# KiCad board Scan_Head_Set-Relay_board_05.01.2023.kicad_pcb (continued)
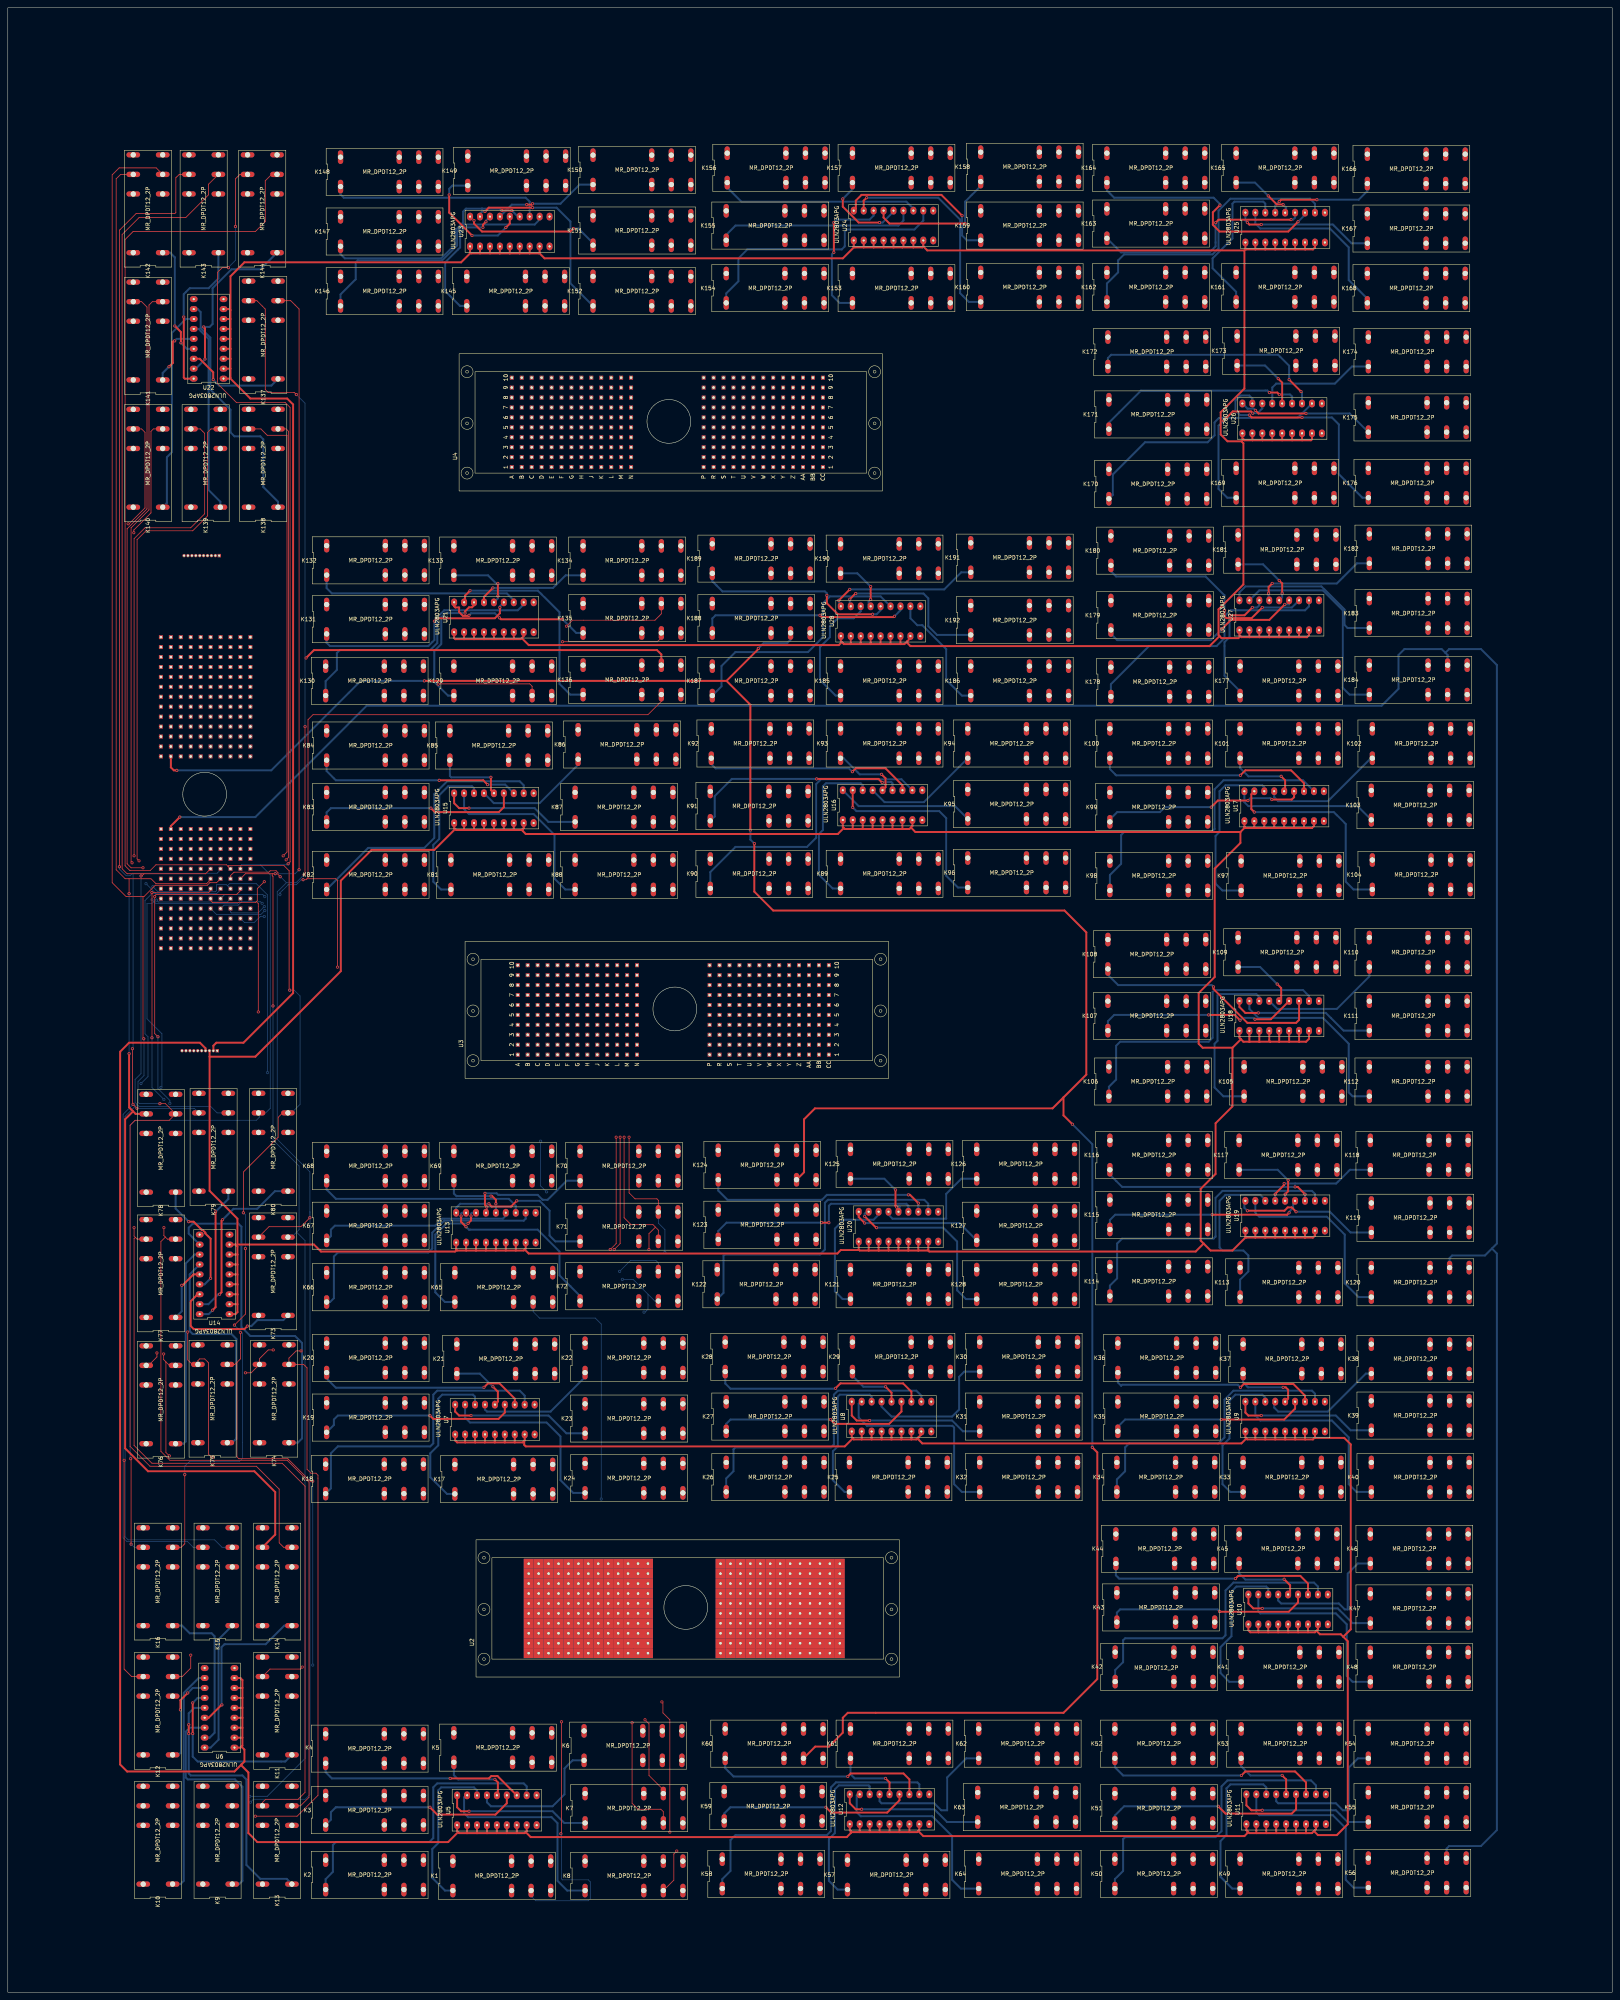
[diagram p0: board, top side]
## Routing (per net, layer and track width the routed paths; a pad name or vN(x,y) marks a point on that pad's centre or on a via; arc(x,y) is an arc through that point) (continued)
IO4: length 422.1
  Top w0.2: K144.21 59.3,464.43 58.17,463.3 v1(58.17,451.1) ; v1(56.36,440.6) 54.77,440.6 53.59,439.42 53.59,410.97 58.42,406.15 70.87,406.15 72.14,404.88 72.14,288.8 v1(71.63,288.29) ; v1(31.5,114.47) 31.5,136.21 v1(31.4,136.3)
  Bottom w0.2: v1(31.4,136.3) 31.24,136.46 31.24,221.49 32.51,222.76 63.5,222.76 64.26,223.52 64.26,224.45 K80.21 65.9,224.65 67.06,225.81 67.06,285.5 64.52,288.04 ; v1(71.63,288.29) 71.37,288.04 64.52,288.04 ; 64.52,288.04 59.69,288.04 59.44,287.78 U1.U2 ; K16.21 32.31,113.65 v1(31.5,114.47) ; v1(56.36,440.6) 56.36,440.66 58.17,442.47 v1(58.17,451.1)
IO5: length 422.5
  Top w0.2: 67.56,285.75 67.56,285.24 67.76,285.05 v1(67.76,251.97) ; 67.56,285.75 v1(68.33,285.75) ; 67.56,285.75 60.71,285.75 U1.V2 ; K137.11 72.28,432.17 74.42,430.02 v1(74.42,286.77)
  +12V w0.2: v3(61.81,50.04) 58.67,50.04 57.35,48.72 K9.11
  Bottom w0.2: 73.79,194.18 72.5,192.9 K73.11 ; 73.79,194.18 75.95,192.02 75.95,59.69 66.29,50.04 v3(61.81,50.04) ; 73.79,194.18 74.42,194.82 74.42,211.07 67.76,217.74 v1(67.76,251.97) ; v1(68.33,285.75) 73.41,285.75 v1(74.42,286.77)
IO6: length 464.8
  Top w0.2: K137.21 63.64,432.17 65.79,430.02 65.79,409.45 66.55,408.69 73.21,408.69 v1(73.72,408.18) ; v1(77.18,197.87) 74.89,195.58 66.74,195.58 K73.21 ; v1(69.6,284.99) 69.03,285.56 69.03,286.04 68.55,286.51 67.06,286.51 66.69,286.15 57.8,286.15 56.9,285.24 U1.V3 ; v1(75.95,323.34) 75.95,285.75 v1(75.69,285.5)
  +12V w0.2: v3(61.98,48.51) 61.56,48.51 59.02,45.97 50.8,45.97 49.83,46.94 K9.21
  Bottom w0.2: v3(61.98,48.51) 62.74,49.28 75.95,49.28 77.22,50.55 77.22,199.32 77.18,199.35 ; 77.18,199.35 77.18,209.59 68.83,217.93 68.83,281.12 71.18,283.46 ; 77.18,199.35 v1(77.18,197.87) ; v1(75.69,285.5) 73.66,283.46 71.18,283.46 ; 71.18,283.46 69.66,284.99 v1(69.6,284.99) ; v1(73.72,408.18) 75.95,405.95 v1(75.95,323.34)
IO7: length 445.3
  Top w0.2: K142.11 37.91,466.09 28.45,466.09 26.67,464.31 26.67,283.46 30.23,279.91 34.54,279.91 ; K14.11 70.5,113.65 69.34,114.81 69.34,128.52 63.5,134.37 36.32,134.37 31.24,139.45 31.24,221.49 32.51,222.76 41.24,222.76 K78.11 40.26,227.01 v1(38.86,227.01) ; 34.54,279.91 34.78,279.91 37.68,282.81 50.97,282.81 51.62,283.46 53.34,283.46 U1.V4 ; 34.54,279.91 34.54,243.78 v1(34.74,243.59)
  Bottom w0.2: v1(34.74,243.59) 34.8,243.52 34.8,234.19 33.27,232.66 33.27,227.33 33.59,227.01 v1(38.86,227.01)
IO8: length 416.5
  Top w0.2: 30.99,284.48 29.97,284.48 27.69,286.77 27.69,463.3 28.82,464.43 K142.21 ; 30.99,284.48 v1(30.99,280.67) ; 30.99,284.48 36.58,284.48 37.85,283.21 50.8,283.21 51.82,284.23
  Top w0.508: 32,225.04 32.65,224.4 K78.21 ; 32,225.04 29.97,223.01 29.97,138.94 35.81,133.1 62.99,133.1 68.33,127.76 68.33,116.9 K14.21 ; 32,225.04 30.99,226.06 v1(30.99,239.78) ; 51.82,284.23 U1.V5
  Bottom w0.2: v1(30.99,239.78) v1(30.99,280.67)
IO9: length 449.3
  Top w0.2: K77.11 40.78,192.39 40.26,192.91 ; 36.83,280.92 51.31,280.92 51.82,281.43 U1.W5 ; 36.83,280.92 v2(36.81,280.95) ; 36.83,280.92 v1(36.83,243.84) ; K141.11 36.94,431.91 36.07,431.04 36.07,378.71 31.5,374.14 31.5,288.8 v2(31.75,288.54) ; K13.11 74.79,47.61 76.96,49.78 76.96,130.3 71.37,135.89 41.4,135.89 39.12,138.18 39.12,191.77 40.26,192.91 ; 40.26,192.91 39.88,193.29 v2(39.88,195.33)
  +12V w0.2: v2(36.81,280.95) 34.77,280.95 32,283.72 32,288.29 v2(31.75,288.54) ; v2(39.88,195.33) v3(39.88,228.09)
  Bottom w0.2: v3(39.88,228.09) 36.83,231.14 v1(36.83,243.84)
IO10: length 466.1
  Top w0.2: 32.58,192.85 33.03,192.39 K77.21 ; 32.58,192.85 32.26,192.53 32.26,139.7 36.83,135.13 70.1,135.13 75.95,129.29 75.95,51.05 74.17,49.28 65.88,49.28 65.07,48.47 K13.21 ; 32.58,192.85 32.26,193.17 v2(32.26,195.33) ; v2(34.54,287.28) 31.49,287.28 30.48,288.29 30.48,373.89 35.56,378.97 35.56,430.53 34.18,431.91 K141.21
  +12V w0.2: v2(34.54,287.28) 35.05,286.77 35.05,283.46 v3(35.31,283.21) ; v2(32.26,195.33) 30.73,196.85 30.73,228.85 v3(34.04,232.16)
  Bottom w0.2: 37.85,280.67 53.34,280.67 54.36,281.69 U1.W4 ; 37.85,280.67 v3(35.31,283.21) ; 37.85,280.67 36.83,280.67 35.05,278.89 35.05,244.86 35.81,244.09 35.81,233.93 v3(34.04,232.16)
IO11: length 396.7
  Top w0.2: 58.55,160.91 59.44,161.8 v2(59.44,168.56) ; 58.55,160.91 58.55,136.78 59.04,136.29 71.54,136.29 77.27,130.56 v1(77.92,130.56) ; 58.55,160.91 58.03,160.39 K75.11 ; v2(33.53,289.05) 33.02,289.56 33.02,371.09 35.31,373.38 47.24,373.38 51.05,377.19 51.05,398.53 51.93,399.4 K139.11
  +12V w0.2: v3(66.36,234.95) 59.44,228.03 v2(59.44,168.56) ; v2(33.53,289.05) 35.81,289.05 36.58,288.29 36.58,282.93 v3(37.07,282.43) ; K11.11 75.81,80.63 77.92,82.74 v3(77.92,83.57)
  Bottom w0.2: v1(77.92,130.56) v3(77.92,83.57) ; v3(66.36,234.95) 66.36,280.35 63.5,283.21 56.64,283.21 56.13,282.7 ; v3(37.07,282.43) 38.37,281.14 53.05,281.14 53.34,281.43 53.34,282.96 55.88,282.96 56.13,282.7 ; 56.13,282.7 U1.W3
IO12: length 408.1
  Top w0.2: v1(38.35,244.09) 37.53,244.92 v2(37.53,279.91) 37.53,280.1 37.85,280.42 58.42,280.42 59.44,281.43 U1.W2 ; v2(32.26,290.32) 32.26,371.35 35.05,374.14 46.74,374.14 50.29,377.7 50.29,398.27 49.16,399.4 K139.21 ; v2(75.25,83.06) 74.74,82.55 66.99,82.55 K11.21 ; v2(52.32,136.65) 52.07,136.65 51.31,137.41 51.31,160.78 50.29,161.8 49.02,161.8 48.56,161.34 K75.21 47.13,160.39 45.97,161.54 v2(45.97,168.66)
  +12V w0.2: v2(75.25,83.06) 76.2,84.01 76.2,132.33 74.17,134.37 54.61,134.37 v2(52.32,136.65) ; v3(41.4,227.08) 41.4,225.81 40.64,225.04 40.64,194.31 41.15,193.8 44.96,193.8 45.47,193.29 45.47,169.16 v2(45.97,168.66) ; v2(37.53,279.91) 34.54,279.91 31.05,283.4 31.05,289.11 v2(32.26,290.32)
  Bottom w0.2: v1(38.35,244.09) 38.35,230.89 41.4,227.84 v3(41.4,227.08)
IO13: length 367.9
  Top w0.2: v2(46.74,86.11) 46.74,82.8 44.56,80.63 K12.11 ; v2(32.2,372.87) 32.2,373.57 36.58,377.95 36.58,398.78 37.2,399.4 K140.11 ; 40.39,161.04 39.82,161.61 v2(39.82,163.07) ; 40.39,161.04 40.39,137.9 v2(41.26,137.02) ; 40.39,161.04 41.29,160.13 K76.11
  +12V w0.2: v2(32.2,372.87) 32,372.68 32,291.59 30.48,290.07 30.48,282.7 34.04,279.15 v3(36.83,279.15) ; v2(39.82,163.07) 39.12,163.77 39.12,195.83 39.48,196.2 39.48,224.94 38.1,226.31 38.1,228.09 39.88,229.87 39.88,230.38 v3(39.12,231.14) ; v2(41.26,137.02) 41.88,136.4 45.34,136.4 46.74,135 v2(46.74,86.11)
  Bottom w0.2: v3(36.83,279.15) 37.34,278.64 ; 37.34,278.64 36.83,278.13 35.56,278.13 35.56,248.67 39.37,244.86 39.37,231.39 v3(39.12,231.14) ; 37.34,278.64 37.85,278.13 58.67,278.13 59.44,278.89 U1.X2
IO14: length 361.9
  Top w0.2: v2(29.72,135.89) 29.72,82.55 31.64,80.63 K12.21 ; v2(30.73,375.16) 30.99,375.16 35.05,379.22 35.05,398.53 34.18,399.4 K140.21 ; v2(38.1,163.32) 38.1,162.31 35.93,160.13 K76.21
  +12V w0.2: K76.21 33.13,160.13 29.72,156.72 v2(29.72,135.89) ; 35.88,278.45 37.4,278.45 v3(37.96,279.01) ; 35.88,278.45 31.43,278.45 29.72,280.16 29.72,290.32 30.73,291.34 v2(30.73,375.16) ; 35.88,278.45 35.88,232.35 38.35,229.87 38.35,229.36 37.34,228.35 37.34,226.06 38.86,224.54 38.86,196.34 38.1,195.58 v2(38.1,163.32)
  Bottom w0.2: v3(37.96,279.01) 38.44,278.53 56.1,278.53 56.9,279.33 U1.X3
IO15: length 421.7
  Top w0.2: K138.11 71.11,399.4 71.74,398.78 71.74,289.92 v2(71.12,289.31) ; v2(74.93,163.83) 73.66,163.83 71.83,162 K74.11 75.58,160.39 76.45,159.51 76.45,133.6 77.47,132.59 78.74,132.59 79.25,132.08 79.25,50.29 73.91,44.96 v2(63.25,44.96)
  +12V w0.2: v3(65.66,279.92) 65.8,279.92 68.07,282.19 ; v2(74.93,163.83) 75.44,163.83 76.2,164.59 76.2,229.87 69.09,236.98 69.09,281.18 68.07,282.19 ; v2(71.12,289.31) 70.36,288.54 70.36,284.48 68.07,282.19 ; v2(63.25,44.96) 43.43,44.96 42.11,46.28 K10.11
  Bottom w0.2: v3(65.66,279.92) 65.16,280.42 55.37,280.42 U1.X4
IO16: length 415.8
  Top w0.2: 63.5,278.64 63.75,278.89 63.75,281.94 v2(65.53,283.72) ; 63.5,278.64 64.01,278.13 v2(64.01,250.44) ; 63.5,278.64 63.25,278.38 52.32,278.38 51.82,278.89 U1.X5 ; v2(67.82,164.08) 66.55,164.08 64.31,161.85 K74.21 62.17,158.24 v2(60.71,158.24) ; v2(70.36,290.32) 71.34,291.3 71.34,397.76 66.29,397.76 64.66,399.4 K138.21
  +12V w0.2: v2(65.53,283.72) 65.53,284.23 66.8,285.5 66.8,286.77 v2(70.36,290.32) ; v2(60.71,158.24) 32.77,158.24 30.7,156.18 30.7,138.14 30.48,137.92 30.48,135.13 30.73,134.87 30.73,48.77 31.89,47.61 K10.21 ; v2(64.01,250.44) 64.01,239.27 68.83,234.44 68.83,165.1 v2(67.82,164.08)
IO17: length 737
  Top w0.2: 165.48,195.45 163.83,193.8 v2(163.83,189.74) ; 165.48,195.45 164.85,196.09 159.26,196.09 157.48,197.87 v2(157.48,218.44) ; 165.48,195.45 166.23,194.7 K71.11 ; v2(141.73,345.02) 165.95,345.02 166.99,346.06 K135.11 ; v2(159.51,68.83) 159.51,48.26 161.04,46.74 166.88,46.74 167.5,46.11 K7.11
  +12V w0.2: 141.13,344.42 v2(141.73,345.02) ; 141.13,344.42 118.87,344.42 116.59,342.14 116.59,314.71 111.76,309.88 111.76,305.05 110.24,303.53 80.52,303.53 64.26,287.27 64.26,279.4 64.77,278.89 66.29,278.89 66.55,278.64 66.55,277.62 65.66,276.73 v3(65.66,276.35) ; 141.13,344.42 141.13,277.71 141.22,277.62 140.46,276.86 94.74,276.86 91.19,273.3 91.19,230.12 97.54,223.77 153.16,223.77 157.48,219.46 v2(157.48,218.44) ; v2(163.83,189.74) 159,189.74 157.73,188.47 157.73,125.73 156.72,124.71 93.73,124.71 90.93,121.92 90.93,75.44 94.23,72.14 156.97,72.14 159.51,69.6 v2(159.51,68.83)
  Bottom w0.2: U1.Y5 53.34,275.34 64.64,275.34 v3(65.66,276.35)
IO18: length 730.5
  Top w0.2: K71.21 166.23,202.32 165.86,202.69 160.27,202.69 158.75,204.22 v2(158.75,218.44) ; K7.21 167.5,51.7 163.83,55.37 163.83,68.58 v2(162.81,69.6) ; v2(142.75,349) 144.27,350.52 165.35,350.52 166.99,352.16 K135.21
  +12V w0.2: v3(64.99,278.19) 64.71,278.19 63.75,279.15 63.75,287.53 80.26,304.04 84.84,304.04 85.09,304.29 85.09,338.07 89.66,342.65 115.82,342.65 118.11,344.93 140.46,344.93 140.72,345.19 140.72,346.96 141.86,348.11 ; v2(162.81,69.6) 159.51,72.9 94.49,72.9 91.69,75.69 91.69,121.67 94.23,124.21 157.23,124.21 158.5,125.48 158.5,187.96 159.51,188.98 v3(167.89,188.98) ; v2(158.75,218.44) 158.75,219.46 153.67,224.54 97.79,224.54 91.95,230.38 91.95,272.8 95.25,276.1 140.72,276.1 142.43,277.81 142.43,347.53 141.86,348.11 ; v2(142.75,349) 141.86,348.11
  Bottom w0.2: K71.21 166.23,196.48 167.89,194.82 v3(167.89,188.98) ; U1.Y4 55.23,277.73 58.84,277.73 59.71,278.6 64.58,278.6 v3(64.99,278.19)
IO19: length 643
  Top w0.2: 76.45,284.48 76.71,284.73 76.71,325.12 77.98,326.39 163.58,326.39 166.99,329.81 K136.11 ; 76.45,284.48 83.82,284.48 84.33,283.97 84.24,283.88 v2(84.24,261.87) ; 76.45,284.48 76.2,284.23 v1(75.44,284.23) ; v2(156.46,218.44) 156.46,191.26 v2(154.94,189.74) ; K8.11 170.18,28.64 170.18,35.31 v2(170.94,36.07)
  +12V w0.2: v2(156.46,218.44) 156.72,218.69 156.72,219.46 152.91,223.27 97.28,223.27 90.68,229.87 90.68,257.05 90.17,257.56 87.63,257.56 84.24,260.95 v2(84.24,261.87) ; v2(154.94,189.74) 157.03,187.64 v3(157.03,182.12) ; v2(170.94,36.07) 170.94,69.34 166.62,73.66 94.74,73.66 92.46,75.95 92.46,121.41 94.49,123.44 157.48,123.44 159,124.97 159,173.23 159.51,173.74 v3(162.56,173.74)
  AGND w0.2: v5(65.54,277.36) 66.48,277.36 v5(69.53,280.42)
  Bottom w0.2: v3(162.56,173.74) 162.81,173.74 163.58,174.5 163.58,178.31 ; v5(69.53,280.42) 69.53,280.86 70.21,281.54 70.25,281.54 71.63,282.92 71.63,282.96 73.72,282.96 74.99,284.23 v1(75.44,284.23) ; 163.58,178.31 165.3,176.58 K72.11 ; 163.58,178.31 159.77,182.12 v3(157.03,182.12) ; v5(65.54,277.36) 63.92,275.74 57.15,275.74 56.9,275.99 U1.Y3
IO20: length 645.7
  Top w0.2: v2(167.13,74.17) 167.39,73.91 167.39,71.37 169.16,69.6 v2(169.16,40.89) ; v2(153.92,189.74) 155.45,191.26 v2(155.45,218.44)
  Top w0.508: v2(76.2,340.87) 78.23,342.9 165.86,342.9 166.99,341.77 K136.21
  +12V w0.2: v4(68.07,272.8) 68.07,272.95 63.01,278.01 63.01,278.62 ; 63.01,278.62 v4(62.52,278.13) ; 63.01,278.62 63.2,278.81 63.2,288.5 74.42,299.72 74.42,339.09 v2(76.2,340.87) ; v3(156.34,184.15) 156.63,184.45 156.63,187.03 v2(153.92,189.74) ; v2(169.16,40.89) 169.16,36.58 167.5,34.91 K8.21 ; v4(89.98,256.29) 90.28,255.99 90.28,229.51 97.28,222.5 152.65,222.5 155.45,219.71 v2(155.45,218.44) ; K72.21 164.54,184.1 163.58,183.13 163.58,173.48 162.81,172.72 160.02,172.72 159.51,172.21 159.51,124.46 157.73,122.68 94.74,122.68 93.22,121.16 93.22,76.2 95,74.42 166.88,74.42 v2(167.13,74.17)
  AGND w0.2: v4(89.98,256.29) 84.58,256.29 v4(68.07,272.8) ; U1.Y2 59.44,277.62 59.94,278.13 v4(62.52,278.13)
  Bottom w0.2: v3(156.34,184.15) 159.13,186.94 165.61,186.94 166.23,186.32 K72.21
IO21: length 583.2
  Top w0.2: v1(141.32,40.48) 141.48,40.64 v2(141.48,69.09) ; K129.11 133.97,333.64 133.35,334.26 110.07,334.26 v2(109.98,334.17)
  +12V w0.2: v2(109.98,334.17) 87.03,334.17 85.85,332.99 v4(85.85,304.8) ; v2(141.48,69.09) 141.48,70.61 140.72,71.37 93.73,71.37 90.17,74.93 90.17,122.43 92.86,125.11 151.53,125.11 151.64,125.22 v3(151.64,125.98) ; v3(136.14,217.42) 136.14,218.19 132.59,221.74 97.48,221.74 89.66,229.56 89.66,255.27 88.9,255.27 v4(87.12,257.05)
  AGND w0.2: 84.07,278.38 84.07,258.57 85.6,257.05 v4(87.12,257.05) ; 84.07,278.38 85.85,280.16 v4(85.85,304.8) ; 84.07,278.38 69.09,278.38 v5(65.53,274.83) ; K65.11 134.23,178.42 136.14,180.34 136.14,187.45 138.82,190.13 138.82,203.32 v5(137.67,204.47)
  Bottom w0.2: v3(151.64,125.98) 151.64,170.69 150.11,172.21 135.89,172.21 134.23,173.88 K65.11 ; K1.11 133.72,24.52 134.87,23.37 148.34,23.37 148.84,23.88 148.84,28.19 148.34,28.7 141.73,28.7 141.48,28.96 141.48,40.32 v1(141.32,40.48) ; v3(136.14,217.42) 136.14,205.99 v5(137.67,204.47) ; U1.Z2 60.45,273.3 62.99,273.3 64.52,274.83 v5(65.53,274.83)
IO109: length 690.3
  Top w0.508: v1(190.75,293.46) 190.75,281.18 195.58,276.35 270,276.35 275.59,270.76 275.59,234.44 269.75,228.6 ; v1(272.03,221.74) 269.75,224.03 269.75,228.6 ; v1(189.74,296.93) 189.74,328.93 183.64,335.03 ; 269.75,228.6 266.95,225.81 206.25,225.81 203.45,223.01 203.45,209.49 K124.11 ; U1.N9 41.66,312.93 42.42,312.17 v1(43.18,312.17) ; v1(277.11,139.19) 278.38,137.92 278.38,80.01 269.75,71.37 214.63,71.37 213.36,70.1 213.36,66.29 209.8,62.74 206.31,62.74 K60.11 ; 183.64,335.03 191.77,343.15 v1(191.77,343.32) ; 183.64,335.03 v1(106.43,335.03)
  Bottom w0.508: v1(277.11,139.19) 277.11,216.66 v1(272.03,221.74) ; v1(43.18,312.17) 67.31,312.17 90.17,335.03 v1(106.43,335.03) ; v1(191.77,343.32) 193.13,344.68 199.14,344.68 200.01,345.55 K188.11 ; v1(189.74,296.93) 189.74,294.48 v1(190.75,293.46)
IO116: length 699.5
  Top w0.508: v1(43.94,300.23) 41.66,297.94 U1.P9
  Bottom w0.508: K184.21 367.91,341.63 367.34,342.19 ; v1(43.94,300.23) 63.25,300.23 91.69,328.68 351.03,328.68 355.35,332.99 355.35,341.63 356.87,343.15 366.38,343.15 367.34,342.19 ; K120.21 368.41,187.57 369.06,188.21 377.44,188.21 379.22,189.99 ; 367.34,342.19 368.3,343.15 376.43,343.15 380.49,339.09 380.49,191.26 379.22,189.99 ; 379.22,189.99 380.49,188.72 380.49,41.4 376.43,37.34 368.3,37.34 367.65,36.69 K56.21
SH1SELECT: length 1053.2
  Top w0.508: 122.43,40.64 U5.4 ; 122.43,40.64 119.89,40.64 ; 122.43,40.64 124.97,40.64 ; 59.94,72.64 59.94,75.18 ; 59.94,72.64 59.94,70.1 ; 59.94,72.64 U6.5 ; 59.94,75.18 U6.6 ; 59.94,75.18 59.94,77.72 ; U10.4 324.61,91.95 ; 324.61,91.95 322.07,91.95 ; 324.61,91.95 327.15,91.95 ; 328.93,141.22 331.47,141.22 ; 328.93,141.22 U9.6 ; 328.93,141.22 326.39,141.22 ; 331.47,141.22 U9.7 ; 331.47,141.22 333.5,141.22 333.88,141.61 ; U10.6 329.69,91.95 ; 329.69,91.95 332.23,91.95 ; 329.69,91.95 327.15,91.95 ; 332.23,91.95 U10.7 ; 332.23,91.95 334.01,91.95 334.39,92.33 ; U6.8 59.44,80.26 59.94,79.76 59.94,77.72 ; 59.94,77.72 U6.7 ; 131.95,140.84 132.08,140.97 U7.8 ; 131.95,140.84 131.95,139.83 132.33,139.45 213.87,139.45 215.9,141.48 ; 131.95,140.84 131.57,140.46 129.54,140.46 ; U10.5 327.15,91.95 ; 333.88,141.61 334.01,141.73 U9.8 ; 333.88,141.61 341.5,141.61 343.15,139.95 343.15,92.71 341.25,90.81 ; 220.22,40.89 222.76,40.89 ; 220.22,40.89 217.68,40.89 ; 220.22,40.89 U12.3 ; 222.76,40.89 225.3,40.89 ; 222.76,40.89 U12.4 ; 316.74,41.15 317.25,40.64 319.02,40.64 ; 316.74,41.15 316.48,41.4 U11.1 ; 316.74,41.15 316.74,40.64 315.98,39.88 233.93,39.88 232.66,41.15 ; 119.89,40.64 U5.3 ; 119.89,40.64 117.35,40.64 ; 116.84,140.46 119.38,140.46 ; 116.84,140.46 114.81,140.46 114.3,140.97 U7.1 ; 116.84,140.46 U7.2 ; 119.38,140.46 U7.3 ; 119.38,140.46 121.92,140.46 ; 334.39,92.33 334.77,92.71 U10.8 ; 334.39,92.33 335.28,91.44 340.61,91.44 341.25,90.81 ; U9.4 323.85,141.22 ; 323.85,141.22 321.31,141.22 ; 323.85,141.22 326.39,141.22 ; 326.64,40.64 329.18,40.64 ; 326.64,40.64 U11.5 ; 326.64,40.64 324.1,40.64 ; 329.18,40.64 331.72,40.64 ; 329.18,40.64 U11.6 ; 322.07,91.95 U10.3 ; 322.07,91.95 319.53,91.95 ; 127.51,40.64 130.05,40.64 ; 127.51,40.64 U5.6 ; 127.51,40.64 124.97,40.64 ; 130.05,40.64 132.08,40.64 132.33,40.89 ; 130.05,40.64 U5.7 ; 124.46,140.46 127,140.46 ; 124.46,140.46 121.92,140.46 ; 124.46,140.46 U7.5 ; 127,140.46 U7.6 ; 127,140.46 129.54,140.46 ; U5.1 114.81,41.15 115.06,40.89 ; 218.19,141.22 U8.2 ; 218.19,141.22 220.73,141.22 ; 218.19,141.22 216.15,141.22 215.9,141.48 ; 232.66,141.73 232.16,141.22 230.89,141.22 ; 232.66,141.73 232.66,141.22 233.68,140.21 315.21,140.21 316.48,141.48 ; 232.66,141.73 233.43,142.49 U8.8 ; U5.8 132.59,41.15 132.33,40.89 ; J1.4 50.52,241.14 49.09,242.57 30.99,242.57 28.7,240.28 28.7,58.17 30.48,56.39 57.91,56.39 59.69,58.17 ; 215.9,141.48 215.65,141.73 U8.1 ; 117.35,40.64 115.32,40.64 115.06,40.89 ; 117.35,40.64 U5.2 ; 341.25,90.81 342.39,89.66 342.39,42.93 339.6,40.13 334.77,40.13 333.76,41.15 ; 232.66,41.15 232.92,41.4 U12.8 ; 232.66,41.15 232.41,40.89 230.38,40.89 ; 227.84,40.89 U12.6 ; 227.84,40.89 230.38,40.89 ; 227.84,40.89 225.3,40.89 ; 220.73,141.22 223.27,141.22 ; 220.73,141.22 U8.3 ; 319.02,40.64 U11.2 ; 319.02,40.64 321.56,40.64 ; 215.39,41.15 215.65,40.89 217.68,40.89 ; 215.39,41.15 215.14,41.4 U12.1 ; 215.39,41.15 215.39,40.64 214.38,39.62 133.6,39.62 132.33,40.89 ; 59.94,65.02 59.94,62.99 59.69,62.74 ; 59.94,65.02 U6.2 ; 59.94,65.02 59.94,67.56 ; 217.68,40.89 U12.2 ; 321.31,141.22 318.77,141.22 ; 321.31,141.22 U9.3 ; 223.27,141.22 225.81,141.22 ; 223.27,141.22 U8.4 ; 225.81,141.22 228.35,141.22 ; 225.81,141.22 U8.5 ; 230.38,40.89 U12.7 ; 59.94,67.56 59.94,70.1 ; 59.94,67.56 U6.3 ; 59.94,70.1 U6.4 ; 331.72,40.64 U11.7 ; 331.72,40.64 333.25,40.64 333.76,41.15 ; 124.97,40.64 U5.5 ; 316.48,141.48 316.23,141.73 U9.1 ; 316.48,141.48 316.74,141.22 318.77,141.22 ; 59.69,58.17 60.45,58.93 60.45,61.98 59.69,62.74 ; 59.69,58.17 59.69,57.91 61.47,56.13 61.47,40.64 63.75,38.35 112.52,38.35 115.06,40.89 ; U7.7 129.54,140.46 ; 230.89,141.22 U8.7 ; 230.89,141.22 228.35,141.22 ; 319.53,91.95 317.5,91.95 316.99,92.46 U10.1 ; 319.53,91.95 U10.2 ; 318.77,141.22 U9.2 ; 121.92,140.46 U7.4 ; 333.76,41.15 334.26,41.66 U11.8 ; 228.35,141.22 U8.6 ; 321.56,40.64 U11.3 ; 321.56,40.64 324.1,40.64 ; 324.1,40.64 U11.4 ; 225.3,40.89 U12.5 ; 326.39,141.22 U9.5 ; 59.69,62.74 59.44,62.48 U6.1
SH2SELECT: length 946.8
  Top w0.508: 215.9,297.18 218.44,297.18 ; 215.9,297.18 U16.2 ; 215.9,297.18 213.87,297.18 213.61,297.43 ; 218.44,297.18 220.98,297.18 ; 218.44,297.18 U16.3 ; 328.93,192.79 331.47,192.79 ; 328.93,192.79 U19.6 ; 328.93,192.79 326.39,192.79 ; 331.47,192.79 333.5,192.79 334.01,193.29 U19.8 ; 331.47,192.79 U19.7 ; 51.56,239.01 63.25,239.01 85.09,260.86 85.09,283.97 92.96,291.85 108.97,291.85 114.3,297.18 ; 51.56,239.01 51.56,240.54 J1.3 ; 51.56,239.01 51.56,204.72 58.67,197.61 58.67,191.01 ; 213.61,297.43 213.36,297.69 U16.1 ; 213.61,297.43 212.09,295.91 132.33,295.91 131.57,296.67 131.57,297.18 ; 121.67,296.93 124.21,296.93 ; 121.67,296.93 U15.4 ; 121.67,296.93 119.13,296.93 ; 124.21,296.93 U15.5 ; 124.21,296.93 126.75,296.93 ; 217.55,189.61 217.68,189.48 219.96,189.48 ; 217.55,189.61 217.42,189.74 U20.1 ; 217.55,189.61 212.85,189.61 211.96,188.72 133.1,188.72 132.08,189.74 ; 114.68,189.61 114.3,189.23 80.01,189.23 78.23,191.01 58.67,191.01 ; 114.68,189.61 114.55,189.74 U13.1 ; 114.68,189.61 114.81,189.48 117.09,189.48 ; 132.08,189.74 132.33,189.99 U13.8 ; 132.08,189.74 131.83,189.48 129.79,189.48 ; 58.42,190.75 58.17,191.01 U14.8 ; 58.42,190.75 58.67,190.5 58.67,188.47 ; 58.42,190.75 58.67,191.01 ; U13.3 119.63,189.48 ; 119.63,189.48 122.17,189.48 ; 119.63,189.48 117.09,189.48 ; U20.8 235.2,189.74 235.08,189.61 ; 58.67,175.77 58.67,178.31 ; 58.67,175.77 U14.2 ; 58.67,175.77 58.67,173.74 58.17,173.23 U14.1 ; 58.67,178.31 58.67,180.85 ; 58.67,178.31 U14.3 ; U18.5 324.87,242.82 ; 324.87,242.82 327.41,242.82 ; 324.87,242.82 322.58,242.82 ; 312.93,241.3 305.31,241.3 304.29,242.32 304.29,255.27 308.39,259.36 308.39,287.05 314.96,293.62 314.96,296.42 ; 312.93,241.3 312.93,226.31 308.61,222 308.61,209.04 304.8,205.23 304.8,192.02 305.56,191.26 ; 312.93,241.3 315.09,243.46 ; U15.8 131.83,297.43 131.57,297.18 ; 58.67,180.85 58.67,185.93 ; 58.67,180.85 U14.4 ; 58.67,185.93 58.67,188.47 ; 58.67,185.93 U14.6 ; 114.3,297.18 114.05,297.43 U15.1 ; 114.3,297.18 114.55,296.93 116.59,296.93 ; 226.06,297.18 228.6,297.18 ; 226.06,297.18 U16.6 ; 226.06,297.18 223.52,297.18 ; 228.6,297.18 U16.7 ; 228.6,297.18 230.38,297.18 230.76,297.56 ; 230.76,297.56 231.9,296.42 314.96,296.42 ; 230.76,297.56 231.14,297.94 U16.8 ; U15.3 119.13,296.93 ; 119.13,296.93 116.59,296.93 ; 129.29,296.93 131.32,296.93 131.57,297.18 ; 129.29,296.93 U15.7 ; 129.29,296.93 126.75,296.93 ; U17.3 321.06,297.43 ; 321.06,297.43 323.6,297.43 ; 321.06,297.43 318.52,297.43 ; 328.68,297.43 331.22,297.43 ; 328.68,297.43 U17.6 ; 328.68,297.43 326.14,297.43 ; 331.22,297.43 333.25,297.43 333.76,297.94 U17.8 ; 331.22,297.43 U17.7 ; 322.58,242.82 322.33,243.08 U18.4 ; 322.58,242.82 319.79,242.82 ; U20.7 232.66,189.48 ; 232.66,189.48 230.12,189.48 ; 232.66,189.48 234.95,189.48 235.08,189.61 ; 314.96,296.42 316.1,297.56 ; U18.7 329.95,242.82 ; 329.95,242.82 327.41,242.82 ; 329.95,242.82 331.72,242.82 332.49,243.59 U18.8 ; 58.67,188.47 U14.7 ; 235.08,189.61 235.46,189.23 303.53,189.23 305.56,191.26 ; 305.56,191.26 307.34,189.48 312.93,189.48 316.36,192.91 ; 126.75,296.93 U15.6 ; 316.1,297.56 316.23,297.43 318.52,297.43 ; 316.1,297.56 315.98,297.69 U17.1 ; U20.6 230.12,189.48 ; 230.12,189.48 227.58,189.48 ; 219.96,189.48 222.5,189.48 ; 219.96,189.48 U20.2 ; 122.17,189.48 U13.4 ; 122.17,189.48 124.71,189.48 ; 117.09,189.48 U13.2 ; 129.79,189.48 U13.7 ; 129.79,189.48 127.25,189.48 ; U13.6 127.25,189.48 ; 127.25,189.48 124.71,189.48 ; 327.41,242.82 U18.6 ; U15.2 116.59,296.93 ; U17.4 323.6,297.43 ; 323.6,297.43 326.14,297.43 ; U18.2 317.25,242.82 ; 317.25,242.82 315.72,242.82 315.09,243.46 ; 317.25,242.82 319.79,242.82 ; U19.3 321.31,192.79 ; 321.31,192.79 323.85,192.79 ; 321.31,192.79 318.77,192.79 ; U17.2 318.52,297.43 ; 316.36,192.91 316.23,193.04 U19.1 ; 316.36,192.91 316.48,192.79 318.77,192.79 ; U16.4 220.98,297.18 ; 220.98,297.18 223.52,297.18 ; U13.5 124.71,189.48 ; 319.79,242.82 U18.3 ; 326.14,297.43 U17.5 ; U19.2 318.77,192.79 ; 323.85,192.79 U19.4 ; 323.85,192.79 326.39,192.79 ; 222.5,189.48 U20.3 ; 222.5,189.48 225.04,189.48 ; U19.5 326.39,192.79 ; 227.58,189.48 U20.5 ; 227.58,189.48 225.04,189.48 ; 315.09,243.46 314.71,243.84 U18.1 ; 225.04,189.48 U20.4 ; 223.52,297.18 U16.5 ; U14.5 58.67,183.39
SH3SELECT: length 967.3
  Top w0.508: U24.3 221.23,445.77 ; 221.23,445.77 218.69,445.77 ; 221.23,445.77 223.77,445.77 ; U24.1 216.15,446.02 216.28,445.9 ; U24.5 226.31,445.77 ; 226.31,445.77 223.77,445.77 ; 226.31,445.77 228.6,445.77 ; U23.7 133.35,444.25 ; 133.35,444.25 135.64,444.25 135.76,444.37 ; 133.35,444.25 130.81,444.25 ; 124.21,345.69 126.49,345.69 ; 124.21,345.69 U21.5 ; 124.21,345.69 121.67,345.69 ; 126.49,345.69 126.75,345.95 U21.6 ; 126.49,345.69 129.29,345.69 ; U21.8 131.83,346.46 131.32,345.95 ; 213.11,344.93 212.85,345.19 U28.1 ; 213.11,344.93 212.34,344.17 133.1,344.17 131.32,345.95 ; 213.11,344.93 213.61,344.42 215.39,344.42 ; 131.32,345.95 131.06,345.69 129.29,345.69 ; 318.01,396.49 320.55,396.49 ; 318.01,396.49 U26.2 ; 318.01,396.49 315.98,396.49 315.72,396.75 ; 320.55,396.49 U26.3 ; 320.55,396.49 323.09,396.49 ; 315.21,396.24 311.66,396.24 309.92,397.98 309.92,403.64 315.98,409.7 315.98,445.01 ; 315.21,396.24 315.72,396.75 ; 315.21,396.24 315.72,395.73 315.72,359.66 309.37,353.31 309.37,346.71 309.63,346.46 ; U24.4 223.77,445.77 ; 56.9,414.78 56.9,412.5 56.77,412.37 ; 56.9,414.78 U22.2 ; 56.9,414.78 56.9,417.32 ; 218.69,445.77 216.41,445.77 216.28,445.9 ; 218.69,445.77 U24.2 ; 216.28,445.9 213.36,442.98 137.16,442.98 135.76,444.37 ; 56.9,424.94 56.9,427.48 ; 56.9,424.94 56.9,422.4 ; 56.9,424.94 U22.6 ; 56.9,427.48 U22.7 ; 56.9,427.48 56.9,429.77 56.64,430.02 U22.8 ; U23.1 118.11,444.5 118.24,444.37 ; U26.7 330.71,396.49 ; 330.71,396.49 328.17,396.49 ; 330.71,396.49 332.99,396.49 333.25,396.75 U26.8 ; 316.36,445.39 316.23,445.52 U25.1 ; 316.36,445.39 315.98,445.01 ; 316.36,445.39 316.48,445.26 318.77,445.26 ; 128.27,444.25 130.81,444.25 ; 128.27,444.25 125.73,444.25 ; 128.27,444.25 U23.5 ; 130.81,444.25 U23.6 ; 315.72,396.75 315.47,397 U26.1 ; U25.6 328.93,445.26 ; 328.93,445.26 326.39,445.26 ; 328.93,445.26 331.47,445.26 ; 328.17,396.49 325.63,396.49 ; 328.17,396.49 U26.6 ; 56.77,412.37 56.64,412.24 U22.1 ; 56.77,412.37 61.98,407.16 71.37,407.16 72.9,405.64 72.9,255.27 60.2,242.57 53.28,242.57 52.52,241.81 J1.2 ; 323.09,396.49 325.63,396.49 ; 323.09,396.49 U26.4 ; 325.63,396.49 U26.5 ; 215.39,344.42 217.93,344.42 ; 215.39,344.42 U28.2 ; 217.93,344.42 220.47,344.42 ; 217.93,344.42 U28.3 ; 326.39,445.26 323.85,445.26 ; 326.39,445.26 U25.5 ; 327.41,346.2 329.95,346.2 ; 327.41,346.2 324.87,346.2 ; 327.41,346.2 U27.6 ; 329.95,346.2 331.98,346.2 332.49,346.71 U27.8 ; 329.95,346.2 U27.7 ; 220.47,344.42 U28.4 ; 220.47,344.42 223.01,344.42 ; 315.98,445.01 234.95,445.01 233.93,446.02 ; 135.76,444.37 135.89,444.5 U23.8 ; U27.3 319.79,346.2 ; 319.79,346.2 317.25,346.2 ; 319.79,346.2 322.33,346.2 ; 125.73,444.25 123.19,444.25 ; 125.73,444.25 U23.4 ; 321.31,445.26 323.85,445.26 ; 321.31,445.26 U25.3 ; 321.31,445.26 318.77,445.26 ; 323.85,445.26 U25.4 ; 317.25,346.2 U27.2 ; 317.25,346.2 315.21,346.2 314.96,346.46 ; 228.6,445.77 228.85,446.02 U24.6 ; 228.6,445.77 231.39,445.77 ; 118.24,444.37 118.36,444.25 120.65,444.25 ; 118.24,444.37 115.82,441.96 60.45,441.96 56.9,438.4 56.9,429.89 ; 56.9,417.32 56.9,419.86 ; 56.9,417.32 U22.3 ; U28.8 230.63,345.95 229.87,345.19 ; U28.7 228.09,344.42 ; 228.09,344.42 229.11,344.42 229.87,345.19 ; 228.09,344.42 225.55,344.42 ; 56.9,419.86 56.9,422.4 ; 56.9,419.86 U22.4 ; U28.6 225.55,344.42 ; 225.55,344.42 223.01,344.42 ; U24.7 231.39,445.77 ; 231.39,445.77 233.68,445.77 233.93,446.02 ; 223.01,344.42 U28.5 ; 309.63,346.46 310.13,345.95 314.45,345.95 314.96,346.46 ; 309.63,346.46 307.09,343.92 230.63,343.92 229.87,344.68 229.87,345.19 ; 314.96,346.46 314.71,346.71 U27.1 ; U23.3 123.19,444.25 ; 123.19,444.25 120.65,444.25 ; 324.87,346.2 U27.5 ; 324.87,346.2 322.33,346.2 ; 120.65,444.25 U23.2 ; U25.8 334.01,445.77 333.5,445.26 331.47,445.26 ; 121.67,345.69 U21.4 ; 121.67,345.69 119.13,345.69 ; U22.5 56.9,422.4 ; 116.59,345.69 114.3,345.69 114.05,345.95 U21.1 ; 116.59,345.69 119.13,345.69 ; 116.59,345.69 U21.2 ; U21.7 129.29,345.69 ; 119.13,345.69 U21.3 ; 318.77,445.26 U25.2 ; 233.93,446.02 U24.8 ; 322.33,346.2 U27.4 ; U25.7 331.47,445.26